# Altium PCB PCB2.PcbDoc (part 3 of 3)
Units mm, origin at the board's own origin, x right, y up, seen from the top; angles counter-clockwise.
Board outline 115.44 x 192.91 mm, 4 copper layers (Top Layer, SignalTop, SignalBottom, Bottom Layer), stack 0.532 mm thick; 200 components, 223 nets, 800 pads, 226 vias.
Unrouted connection lines stored in the file: 2.
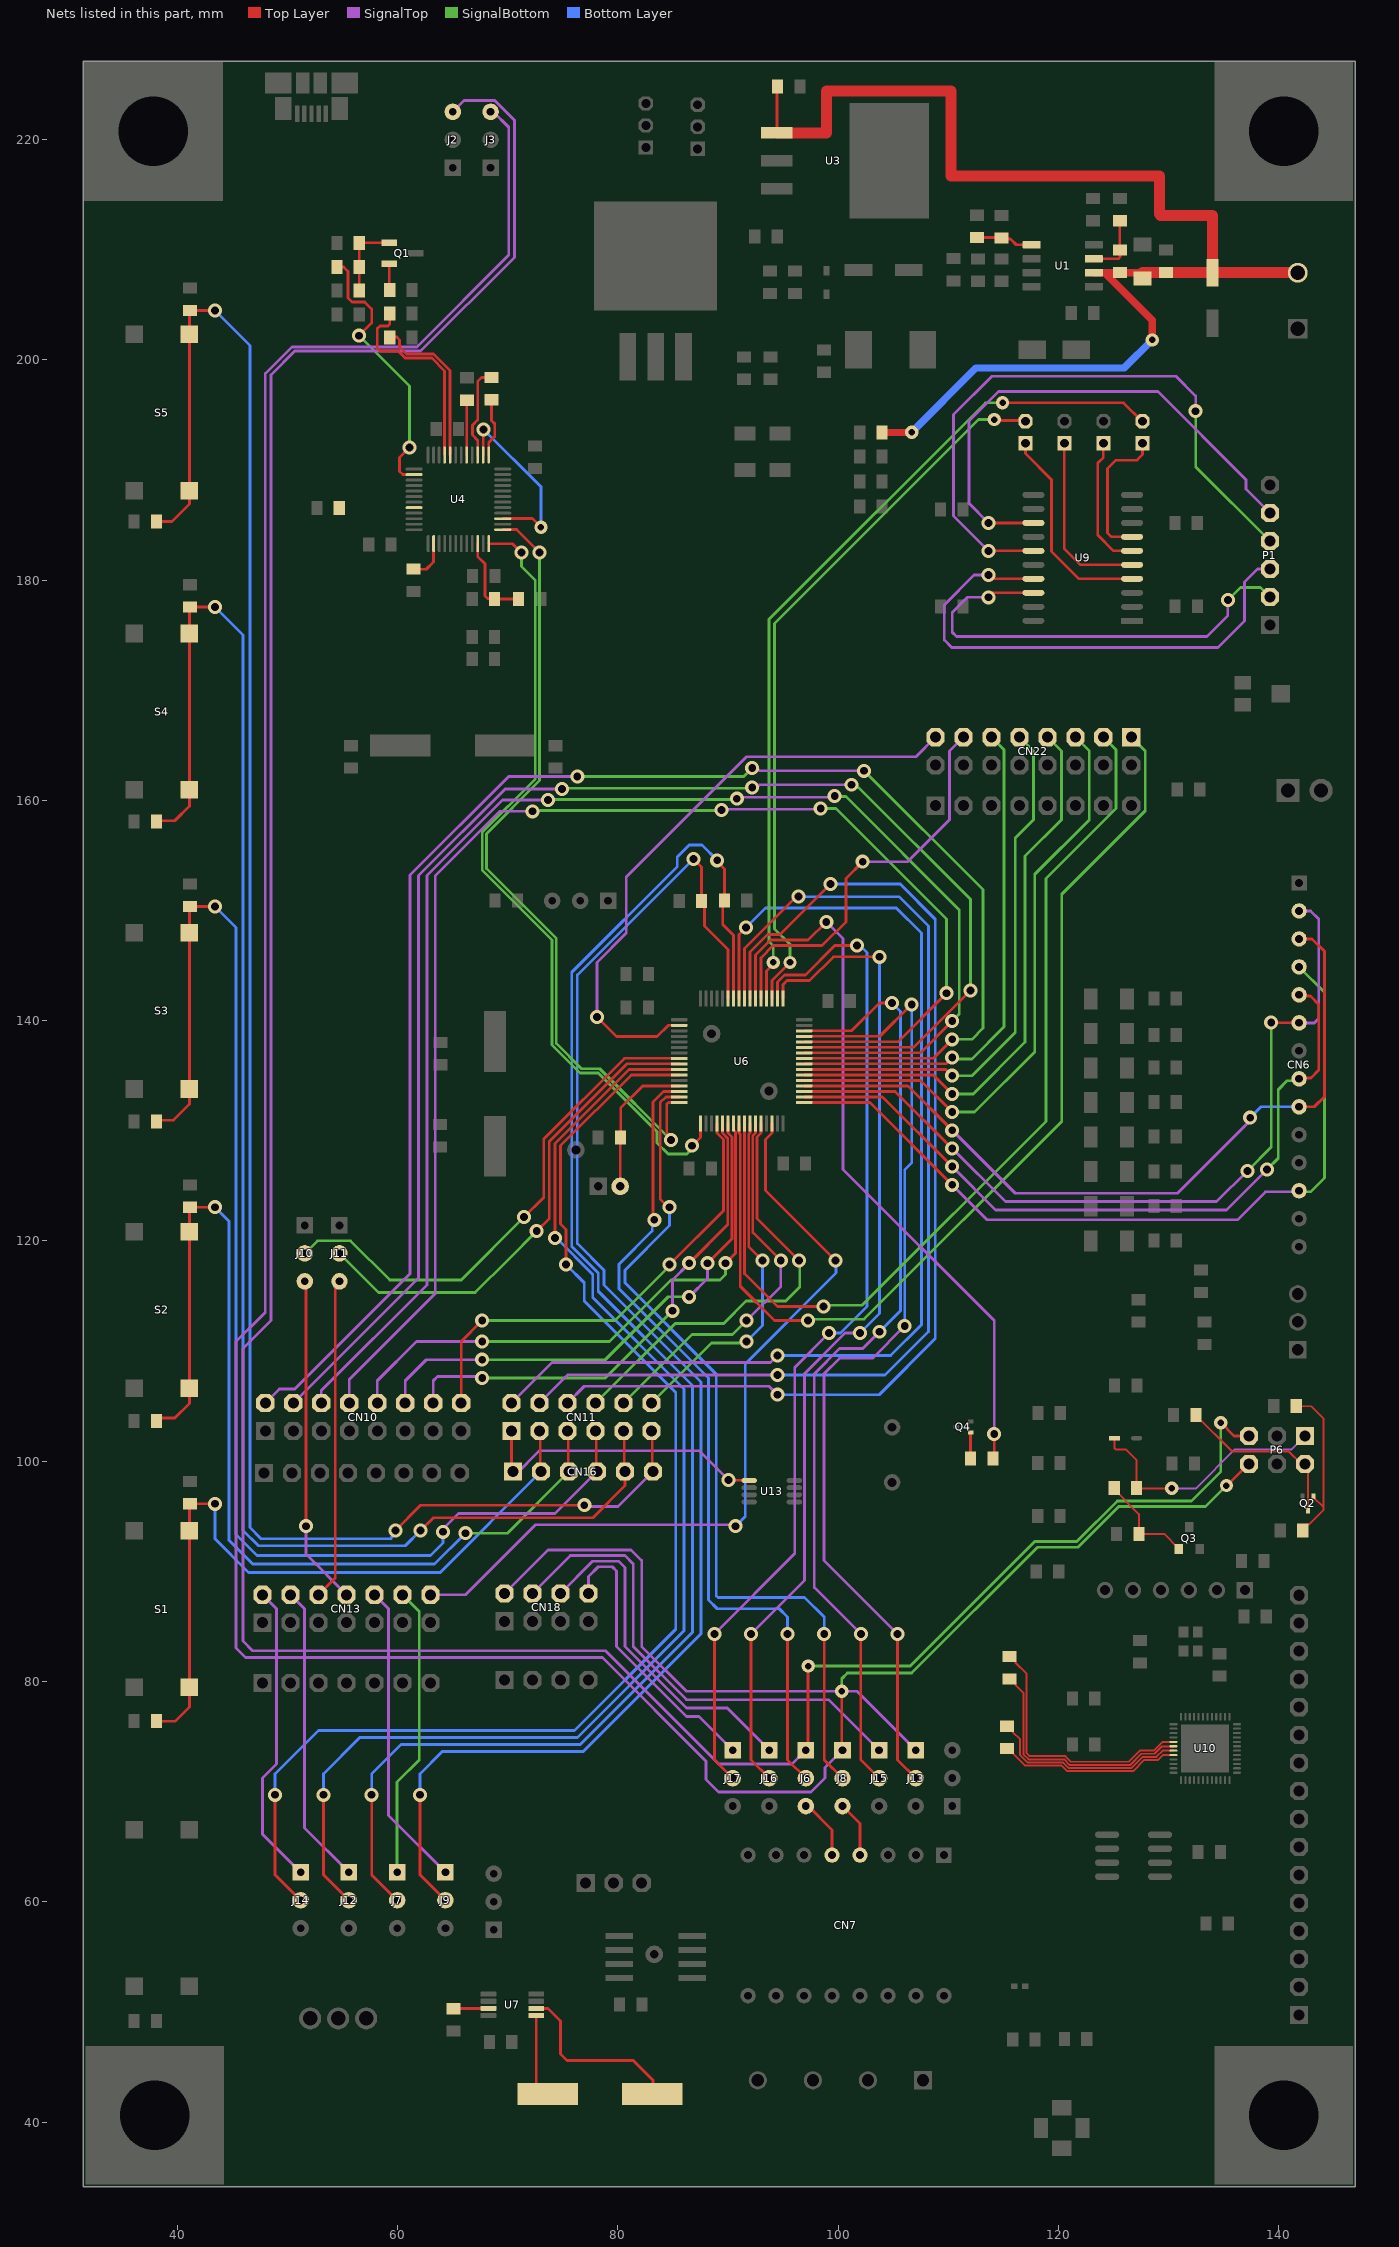
[diagram p5: the nets of this part, all layers, seen from the top]

## Via types
v1: diameter 1.27, hole 0.711, Top Layer to Bottom Layer, tented top, 165 vias
v2: diameter 1.2, hole 0.6, Top Layer to Bottom Layer, 59 vias
v3: diameter 6, hole 3, Top Layer to Bottom Layer, 2 vias

## Nets (pads, with @x,y where several pads share a name; then routed paths per layer and width w, separated by ;. In a path a pad name is that pad's centre, name@x,y a point inside that pad or via, vN(x,y) a via of type N, cw(c..) or ccw(c..) an arc to the next point about the centre after c; other vN are vias at no path point) (continued)
NetP2_2: P2.2 U6.52 | length 77.6
  Top Layer w0.254: U6.52@93.5,142 93.513,142.013 93.513,144.495 94.107,145.089 v2(94.107,145.288) ; v2(114.935,196.088) 125.91,196.088 127.582,194.416 P2.2@127.635,194.416
  SignalBottom w0.254: v2(94.107,145.288) 94.107,146.812 93.726,147.193 93.726,176.439 113.375,196.088 v2(114.935,196.088)
NetP3_2: P3.2 U6.51 | length 65.8
  Top Layer w0.254: U6.51@94,142 94,143.657 v2(95.631,145.288) ; v2(114.173,194.564) 114.247,194.49 116.934,194.49 P3.2@117.008,194.416
  SignalBottom w0.254: v2(95.631,145.288) 95.631,146.939 94.234,148.336 94.234,176.042 112.756,194.564 v2(114.173,194.564)
NetQ1_1: Q1.1 R10.1 R12.1 R14.1 | length 7
  Top Layer w0.254: R14.1@56.532,206.28 R12.1@56.532,208.439 R10.1@56.532,210.598 56.562,210.627 Q1.1@59.252,210.627
NetQ1_2: Q1.2 R13.1 | length 2.4
  Top Layer w0.254: Q1.2@59.252,208.727 59.252,206.383 R13.1@59.292,206.343
NetQ2_1: Q2.1 R28.2 R31.2 | length 15.3
  Top Layer w0.18: R31.2@141.588,104.997 142.935,104.997 144.073,103.859 144.073,95.993 ; R28.2@142.175,93.7 142.175,93.827 142.593,94.245 142.72,94.245 143.166,94.691 144.073,95.598 144.073,95.823 ; Q2.1@143.15,96.823 143.15,96.747 144.073,95.823 ; 144.073,95.926 144.073,95.823
NetQ3_1: Q3.1 R32.1 R33.1 | length 9.3
  Top Layer w0.18: R32.1@125.069,97.57 125.069,97.443 127.306,95.206 R33.1@127.306,93.405 129.595,93.405 130.925,92.075 Q3.1@130.925,92.025
NetQ4_1: Q4.1 R34.2 | length 2.4
  Top Layer w0.254: Q4.1@112.026,102.624 112.026,100.24 R34.2@112.031,100.235
NetR1_1: R1.1 R4.2 U1.3 | length 5.2
  Top Layer w0.254: U1.3@123.221,209.169 125.454,209.169 125.603,209.318 125.603,209.917 R1.1@125.571,209.948 R4.2@125.571,212.107
NetR2_1: R2.1 R3.2 U1.5 | length 5.2
  Top Layer w0.254: R3.2@112.617,211.091 114.805,211.091 R2.1@114.84,211.057 114.941,210.955 115.652,210.955 116.169,210.439 U1.5@117.571,210.439
NetR7_2: R7.2 R8.1 U4.10 | length 8.2
  Top Layer w0.254: U4.10@67.282,183.3 67.282,182.146 67.945,181.483 67.945,178.562 68.199,178.308 68.785,178.308 R7.2@68.817,178.276 R8.1@70.976,178.276
NetR9_1: R9.1 U4.29 | length 5
  Top Layer w0.254: U4.29@66.282,191.35 66.282,196.281 R9.1@66.326,196.325
NetR15_1: R15.1 U4.2 | length 3.8
  Top Layer w0.254: R15.1@61.436,180.992 61.454,180.975 62.611,180.975 63.282,181.646 U4.2@63.282,183.3
NetR16_2: R16.2 U4.44 | length 0.1
  Top Layer w0.254: R16.2@54.72,186.531 R16.2@54.763,186.575
NetR26_1: R26.1 U7.7 | length 3.2
  Top Layer w0.254: R26.1@65.095,50.306 65.124,50.335 U7.7@68.262,50.335
NetU7_1: U7.1 Y2.2 | length 7.7
  Top Layer w0.254: U7.1@72.592,49.685 72.592,43.423 73.465,42.55 Y2.2@73.645,42.55
NetU7_2: U7.2 Y2.1 | length 16.3
  Top Layer w0.254: U7.2@72.592,50.335 73.665,50.335 74.8,49.2 74.8,46.2 75.4,45.6 81.4,45.6 83.185,43.815 83.185,42.59 Y2.1@83.145,42.55
PA0_UART4_TX: J6.2 U6.14 | length 75.9
  Top Layer w0.254: v1(83.312,121.92) 83.185,122.047 83.185,132.605 84.16,133.58 U6.14@85.58,133.58 ; v1(95.419,84.328) 95.419,72.898 J6.2@97.077,71.24
  Bottom Layer w0.254: v1(83.312,121.92) 83.123,121.731 83.123,120.904 80.106,117.887 80.106,115.666 88.225,107.547 88.225,87.416 89.027,86.614 94.657,86.614 95.419,85.852 v1(95.419,84.328)
PA1_UART4_RX: J8.2 U6.15 | length 78.2
  Top Layer w0.254: v1(84.709,123.063) 84.602,123.063 83.847,123.818 83.847,132.561 84.367,133.08 U6.15@85.58,133.08 ; v1(98.742,84.328) 98.742,72.898 J8.2@100.4,71.24
  Bottom Layer w0.254: v1(84.709,123.063) 84.709,121.412 80.645,117.348 80.645,116.205 88.944,107.906 88.944,87.779 89.092,87.63 96.964,87.63 98.742,85.852 v1(98.742,84.328)
PA2: U4.13 U6.16 | length 72.1
  Top Layer w0.254: U4.13@69.557,184.575 70.822,184.575 v1(72.898,182.499) ; v1(84.836,129.159) 84.836,129.434 84.455,129.815 84.455,132.431 84.604,132.58 U6.16@85.58,132.58
  SignalBottom w0.254: v1(72.898,182.499) 72.898,161.798 68.072,156.972 68.072,153.797 74.422,147.447 74.422,137.922 76.708,135.636 78.359,135.636 v1(84.836,129.159)
PA3: U4.12 U6.17 | length 73.4
  Top Layer w0.254: U4.12@68.282,183.3 70.446,183.3 v1(71.247,182.499) ; v1(86.741,128.651) 87.5,129.41 U6.17@87.5,130.66
  SignalBottom w0.254: v1(71.247,182.499) 71.247,181.229 72.517,179.959 72.517,161.925 67.691,157.099 67.691,153.67 74.041,147.32 74.041,137.795 76.581,135.255 78.232,135.255 83.566,129.921 83.566,128.905 84.582,127.889 86.277,127.889 86.425,128.038 86.425,128.06 86.741,128.376 v1(86.741,128.651)
PA4: CN10.16 U6.20 | length 42.6
  Top Layer w0.254: CN10.16@65.786,105.283 65.786,110.871 v1(67.691,112.776) ; v1(84.709,117.856) 89.595,122.742 89.595,129.203 89,129.798 U6.20@89,130.66
  SignalBottom w0.254: v1(67.691,112.776) 79.756,112.776 84.709,117.729 v1(84.709,117.856)
PA5: CN10.14 U6.21 | length 45.8
  Top Layer w0.254: v1(86.487,117.983) 89.976,121.472 89.976,129.322 89.5,129.798 U6.21@89.5,130.66
  SignalTop w0.254: CN10.14@63.246,105.283 63.246,107.315 63.627,107.696 67.564,107.696 v1(67.691,107.569) ; v1(84.963,113.665) 84.963,116.459 v1(86.487,117.983)
  SignalBottom w0.254: v1(67.691,107.569) 78.867,107.569 v1(84.963,113.665)
PA6: CN10.12 U6.22 | length 48.5
  Top Layer w0.254: v1(88.138,117.983) 90.357,120.202 90.357,129.441 90,129.798 U6.22@90,130.66
  SignalTop w0.254: CN10.12@60.706,105.283 60.706,107.315 62.611,109.22 v1(67.691,109.22) ; v1(86.487,114.935) 88.138,116.586 v1(88.138,117.983)
  SignalBottom w0.254: v1(67.691,109.22) 78.867,109.22 84.582,114.935 v1(86.487,114.935)
  Bottom Layer w0.254: v1(86.487,114.935) v1@86.517,114.965
PA7: CN10.10 U6.23 | length 51.8
  Top Layer w0.254: v1(89.789,117.983) 89.789,117.998 90.678,118.887 90.678,129.903 90.529,130.052 90.513,130.052 90.5,130.065 U6.23@90.5,130.66
  SignalTop w0.254: CN10.10@58.166,105.283 58.166,107.315 61.722,110.871 v1(67.691,110.871)
  SignalBottom w0.254: v1(67.691,110.871) 79.248,110.871 84.836,116.459 89.281,116.459 89.789,116.967 v1(89.789,117.983)
PA8: CN10.8 U6.44 | length 125.7
  Top Layer w0.254: U6.44@96.92,138.08 105.441,138.08 v1(109.855,142.494)
  SignalTop w0.254: CN10.8@55.626,105.283 55.626,107.442 63.436,115.252 63.436,153.162 69.278,159.004 v1(72.263,159.004) ; v1(89.408,159.131) 89.471,159.195 98.361,159.195 v1(98.425,159.258)
  SignalBottom w0.254: v1(72.263,159.004) 72.326,159.067 89.344,159.067 v1(89.408,159.131) ; v1(98.425,159.258) 99.822,159.258 109.855,149.225 v1(109.855,142.494)
PA9: CN10.6 U6.42 | length 132.5
  Top Layer w0.254: U6.42@96.92,137.08 107.486,137.08 v1(110.363,139.958)
  SignalTop w0.254: CN10.6@53.086,105.283 53.086,106.426 62.674,116.014 62.674,153.162 69.532,160.02 v1(73.66,160.02) ; v1(90.805,160.147) 90.932,160.274 99.568,160.274 v1(99.695,160.401)
  SignalBottom w0.254: v1(73.66,160.02) 73.724,160.083 90.742,160.083 v1(90.805,160.147) ; v1(99.695,160.401) 99.751,160.345 100.711,160.345 110.998,150.058 110.998,140.593 v1(110.363,139.958)
PA10: CN10.4 U6.43 | length 135.9
  Top Layer w0.254: U6.43@96.92,137.58 106.846,137.58 v1(112.014,142.748)
  SignalTop w0.254: CN10.4@50.546,105.283 61.912,116.649 61.912,153.162 69.787,161.036 v1(74.93,161.036) ; v1(92.202,161.163) 92.396,161.357 92.799,161.357 92.859,161.417 v1(101.219,161.417)
  SignalBottom w0.254: v1(74.93,161.036) 74.993,161.1 92.138,161.1 v1(92.202,161.163) ; v1(101.219,161.417) 101.413,161.223 101.809,161.223 112.014,151.017 v1(112.014,142.748)
PA11: CN10.2 U6.41 | length 144.8
  Top Layer w0.254: U6.41@96.92,136.58 108.636,136.58 v1(110.363,138.307)
  SignalTop w0.254: CN10.2@48.006,105.283 49.276,106.553 50.673,106.553 61.151,117.03 61.151,153.225 70.104,162.179 v1(76.327,162.179) ; v1(92.202,162.941) 92.396,162.747 92.799,162.747 92.859,162.687 v1(102.362,162.687)
  SignalBottom w0.254: v1(76.327,162.179) 91.44,162.179 v1(92.202,162.941) ; v1(102.362,162.687) 113.157,151.892 113.157,139.319 112.145,138.307 v1(110.363,138.307)
PA12: J13.2 U6.45 | length 89.7
  Top Layer w0.254: U6.45@96.92,138.58 103.782,138.58 v1(106.68,141.478) ; v1(105.389,84.328) 105.389,72.898 J13.2@107.047,71.24
  SignalTop w0.254: v1(105.389,84.328) 98.732,90.985 98.732,107.95 100.129,109.347 103.124,109.347 v1(106.045,112.268)
  Bottom Layer w0.254: v1(106.045,112.268) 106.045,126.458 106.68,127.093 v1(106.68,141.478)
PA12_IO: CN18.2 J13.1 | length 51.1
  SignalTop w0.254: CN18.2@69.723,88.011 73.66,91.948 81.211,91.948 82.169,90.99 82.169,83.185 86.233,79.121 101.706,79.121 J13.1@107.047,73.78
PA13: J15.2 U6.46 | length 86.6
  Top Layer w0.254: U6.46@96.92,139.08 101.234,139.08 103.759,141.605 v1(104.902,141.605) ; v1(102.066,84.328) 102.066,72.898 J15.2@103.724,71.24
  SignalTop w0.254: v1(102.066,84.328) 97.843,88.551 97.843,107.95 100.129,110.236 102.235,110.236 v1(103.759,111.76)
  Bottom Layer w0.254: v1(103.759,111.76) 105.664,113.665 105.664,140.843 v1(104.902,141.605)
PA13_IO: CN18.4 J15.1 | length 44.6
  SignalTop w0.254: CN18.4@72.263,88.011 75.692,91.44 80.641,91.44 81.407,90.674 81.407,83.185 86.233,78.359 99.145,78.359 J15.1@103.724,73.78
PA14: J16.2 U6.49 | length 91.9
  Top Layer w0.254: v1(92.096,84.328) 92.096,72.898 J16.2@93.754,71.24 ; U6.49@95,142 95,143.26 95.377,143.637 97.409,143.637 99.568,145.796 v1(103.759,145.796)
  SignalTop w0.254: v1(92.096,84.328) 96.954,89.186 96.954,107.95 100.637,111.633 v1(101.981,111.633)
  Bottom Layer w0.254: v1(101.981,111.633) 103.759,113.411 v1(103.759,145.796)
PA14_IO: CN18.6 J16.1 | length 31.5
  SignalTop w0.254: CN18.6@74.803,88.011 77.724,90.932 80.072,90.932 80.645,90.359 80.645,83.185 86.233,77.597 89.937,77.597 J16.1@93.754,73.78
PA15: J17.2 U6.50 | length 93.2
  Top Layer w0.254: v1(88.773,84.328) 88.773,72.898 J17.2@90.431,71.24 ; U6.50@94.5,142 94.5,143.522 95.123,144.145 97.028,144.145 99.695,146.812 v1(101.727,146.812)
  SignalTop w0.254: v1(88.773,84.328) 96.065,91.62 96.065,108.511 v1(99.187,111.633)
  Bottom Layer w0.254: v1(99.187,111.633) 100.203,111.633 102.616,114.046 102.616,146.177 101.981,146.812 v1(101.727,146.812)
PA15_IO: CN18.8 J17.1 | length 25.9
  SignalTop w0.254: CN18.8@77.343,88.011 77.343,89.535 78.232,90.424 79.502,90.424 79.883,90.043 79.883,83.185 86.233,76.835 87.376,76.835 J17.1@90.431,73.78
PB0: CN11.12 U6.26 | length 31.9
  Top Layer w0.254: U6.26@92,130.66 92,129.798 91.881,129.679 91.881,119.507 v1(93.151,118.237)
  SignalBottom w0.254: CN11.12@83.058,105.283 88.519,110.744 91.567,110.744 v1(91.694,110.871)
  Bottom Layer w0.254: v1(91.694,110.871) 93.151,112.328 v1(93.151,118.237)
PB1: CN11.10 U6.27 | length 34.6
  Top Layer w0.254: U6.27@92.5,130.66 92.5,129.798 92.262,129.56 92.262,120.777 v1(94.802,118.237)
  SignalTop w0.254: v1(91.694,112.776) 94.802,115.884 v1(94.802,118.237)
  SignalBottom w0.254: CN11.10@80.518,105.283 86.741,111.506 90.424,111.506 v1(91.694,112.776)
PB2: CN11.8 U6.28 | length 39.5
  Top Layer w0.254: U6.28@93,130.66 93,129.798 92.643,129.441 92.643,122.047 v1(96.453,118.237)
  SignalBottom w0.254: CN11.8@77.978,105.283 85.217,112.522 89.616,112.522 91.648,114.554 95.25,114.554 96.52,115.824 96.52,118.17 v1(96.453,118.237)
PB3: CN11.6 U6.55 | length 99.5
  Top Layer w0.254: U6.55@92,142 92,146.229 93.599,147.828 94.742,147.828 v1(99.314,152.4)
  SignalTop w0.254: CN11.6@75.438,105.283 76.962,106.807 93.726,106.807 v1(94.488,106.045)
  Bottom Layer w0.254: v1(94.488,106.045) 103.733,106.045 108.826,111.138 108.826,149.212 105.638,152.4 v1(99.314,152.4)
PB4: CN11.4 U6.56 | length 99.1
  Top Layer w0.254: U6.56@91.5,142 91.5,146.546 96.211,151.257 v1(96.393,151.257)
  SignalTop w0.254: CN11.4@72.898,105.283 75.438,107.823 v1(94.488,107.823)
  Bottom Layer w0.254: v1(94.488,107.823) 104.254,107.823 108.198,111.766 108.198,148.584 105.524,151.257 v1(96.393,151.257)
PB5: CN11.2 U6.57 | length 100.1
  Top Layer w0.254: U6.57@91,142 91,147.824 v1(91.639,148.463)
  SignalTop w0.254: CN11.2@70.358,105.283 74.041,108.966 93.853,108.966 v1(94.488,109.601)
  Bottom Layer w0.254: v1(91.639,148.463) 93.417,150.241 105.283,150.241 107.569,147.955 107.569,112.395 104.775,109.601 v1(94.488,109.601)
PB6: J7.2 R24.2 U6.58 | length 143.7
  Top Layer w0.254: v1(57.658,69.723) 57.658,62.464 J7.2@59.971,60.151 ; v1(89.027,154.559) 89.027,154.427 89.679,153.775 R24.2@89.679,150.908 89.535,150.763 89.535,148.717 90.5,147.752 U6.58@90.5,142
  Bottom Layer w0.254: v1(57.658,69.723) 57.658,71.628 60.325,74.295 76.599,74.295 86.785,84.481 86.785,106.887 78.232,115.439 78.232,117.094 75.819,119.507 75.819,144.399 85.407,153.987 85.407,154.876 86.487,155.956 87.63,155.956 v1(89.027,154.559)
PB6_IO: CN13.12 J7.1 | length 26.7
  SignalBottom w0.254: J7.1@59.971,62.691 59.971,70.893 61.976,72.898 61.976,86.36 CN13.12@60.452,87.884
PB7: J9.2 R23.2 U6.59 | length 136.5
  Top Layer w0.254: v1(62.039,69.723) 62.039,62.464 J9.2@64.353,60.151 ; v1(86.868,154.686) 87.613,153.941 R23.2@87.613,150.844 87.884,150.573 87.884,148.59 90,146.474 U6.59@90,142
  Bottom Layer w0.254: v1(62.039,69.723) 62.039,71.628 64.072,73.66 76.862,73.66 87.547,84.344 87.547,107.202 78.74,116.009 78.74,117.348 76.327,119.761 76.327,144.145 v1(86.868,154.686)
PB7_IO: CN13.10 J9.1 | length 27.9
  SignalTop w0.254: CN13.10@57.912,87.884 59.182,86.614 59.182,67.862 J9.1@64.353,62.691
PB11: CN13.14 U6.30 | length 73.6
  Top Layer w0.254: U6.30@94,130.66 94,129.798 93.405,129.203 93.405,124.587 v1(99.755,118.237)
  SignalTop w0.254: CN13.14@62.992,87.884 66.167,87.884 72.517,94.234 90.551,94.234 v1(90.678,94.107)
  Bottom Layer w0.254: v1(90.678,94.107) 91.567,94.996 91.567,108.839 99.822,117.094 99.822,118.17 v1(99.755,118.237)
PC0: J10.2 U6.8 | length 47.4
  Top Layer w0.254: v1(71.501,122.174) 73.279,123.952 73.279,129.248 80.611,136.58 U6.8@85.58,136.58
  SignalBottom w0.254: J10.2@51.587,118.872 52.73,120.015 55.753,120.015 59.309,116.459 65.786,116.459 v1(71.501,122.174)
PC0_IO: CN13.8 J10.3 | length 30
  Top Layer w0.254: J10.3@51.587,116.332 51.689,116.23 v1(51.689,94.107)
  SignalTop w0.254: v1(51.689,94.107) 51.689,91.567 CN13.8@55.372,87.884
PC1: J11.2 U6.9 | length 45
  Top Layer w0.254: v1(72.644,120.904) 73.787,122.047 73.787,129.049 80.818,136.08 U6.9@85.58,136.08
  SignalBottom w0.254: J11.2@54.737,118.872 58.293,115.316 67.056,115.316 70.07,118.33 v1(72.644,120.904)
PC1_IO: CN13.6 J11.3 | length 29.2
  Top Layer w0.254: CN13.6@52.832,87.884 54.356,89.408 54.356,115.614 54.737,115.995 J11.3@54.737,116.332
PC2: J12.2 U6.10 | length 113.8
  Top Layer w0.254: v1(53.276,69.723) 53.276,62.464 J12.2@55.59,60.151 ; v1(74.295,120.269) 74.295,128.85 81.025,135.58 U6.10@85.58,135.58
  Bottom Layer w0.254: v1(53.276,69.723) 53.276,71.628 56.578,74.93 76.336,74.93 86.023,84.617 86.023,106.571 77.724,114.87 77.724,116.967 74.422,120.269 v1(74.295,120.269)
PC2_IO: CN13.4 J12.1 | length 27.4
  SignalTop w0.254: CN13.4@50.292,87.884 51.562,86.614 51.562,66.719 J12.1@55.59,62.691
PC3: J14.2 U6.11 | length 115.9
  Top Layer w0.254: v1(48.895,69.723) 48.895,62.464 J14.2@51.208,60.151 ; v1(75.311,117.856) 75.311,121.031 74.803,121.539 74.803,128.651 81.232,135.08 U6.11@85.58,135.08
  Bottom Layer w0.254: v1(48.895,69.723) 48.895,71.628 52.832,75.565 76.073,75.565 85.261,84.753 85.261,106.255 76.962,114.554 76.962,116.205 v1(75.311,117.856)
PC3_IO: CN13.2 J14.1 | length 27.7
  SignalTop w0.254: CN13.2@47.752,87.884 49.022,86.614 49.022,72.517 47.752,71.247 47.752,66.147 J14.1@51.208,62.691
PC4: CN22.1 U6.24 | length 91.3
  Top Layer w0.254: U6.24@91,130.66 91,129.798 91.119,129.679 91.119,115.891 94.234,112.776 v1(97.282,112.776)
  SignalBottom w0.254: v1(97.282,112.776) 97.409,112.903 102.362,112.903 120.309,130.85 120.309,151.471 127.889,159.051 127.889,164.465 CN22.1@126.619,165.735
PC5: CN22.3 U6.25 | length 87.2
  Top Layer w0.254: U6.25@91.5,130.66 91.5,118.237 91.5,117.034 94.488,114.046 v1(98.679,114.046)
  SignalBottom w0.254: v1(98.679,114.046) 98.806,114.173 102.195,114.173 118.872,130.85 118.872,152.908 125.222,159.258 125.222,164.592 CN22.3@124.079,165.735
PC6: CN22.5 U6.37 | length 55.5
  Top Layer w0.254: U6.37@96.92,134.58 107.486,134.58 v1(110.363,131.703)
  SignalBottom w0.254: v1(110.363,131.703) 110.367,131.699 112.395,131.699 117.856,137.16 117.856,153.289 122.809,158.242 122.809,164.465 CN22.5@121.539,165.735
PC7: CN22.7 U6.38 | length 52.3
  Top Layer w0.254: U6.38@96.92,135.08 108.637,135.08 v1(110.363,133.354)
  SignalBottom w0.254: v1(110.363,133.354) 110.367,133.35 112.268,133.35 116.967,138.049 116.967,154.94 120.269,158.242 120.269,164.465 CN22.7@118.999,165.735
PC8: CN22.9 U6.39 | length 49.2
  Top Layer w0.254: U6.39@96.92,135.58 109.788,135.58 v1(110.363,135.005)
  SignalTop w0.254: v1(110.363,135.005) v1@110.49,135.005
  SignalBottom w0.254: v1(110.363,135.005) 112.145,135.005 116.078,138.938 116.078,156.591 117.729,158.242 117.729,164.465 CN22.9@116.459,165.735
PC9: CN22.11 U6.40 | length 46.4
  Top Layer w0.254: U6.40@96.92,136.08 109.787,136.08 v1(110.363,136.656)
  SignalBottom w0.254: v1(110.363,136.656) 110.494,136.525 112.141,136.525 115.062,139.446 115.062,164.592 CN22.11@113.919,165.735
PC12: CN22.13 U6.53 | length 36.9
  Top Layer w0.254: U6.53@93.013,142.608 93.013,142.013 U6.53@93,142 93,145.705 94.107,146.812 98.552,146.812 100.711,148.971 100.711,152.908 v1(102.235,154.432)
  SignalTop w0.254: v1(102.235,154.432) 106.299,154.432 110.109,158.242 110.109,164.465 CN22.13@111.379,165.735
PC13: CN22.15 U6.2 | length 55.8
  Top Layer w0.254: v1(78.105,140.335) 79.883,138.557 83.566,138.557 84.589,139.58 U6.2@85.58,139.58
  SignalTop w0.254: v1(78.105,140.335) 78.105,145.288 80.772,147.955 80.772,153.035 91.694,163.957 107.061,163.957 CN22.15@108.839,165.735
PD2: R34.1 U6.54 | length 66.7
  Top Layer w0.254: U6.54@92.5,142 92.5,145.967 93.853,147.32 97.282,147.32 v1(98.933,148.971) ; R34.1@114.063,100.235 114.173,100.344 v1(114.173,102.489)
  SignalTop w0.254: v1(98.933,148.971) 100.457,147.447 100.457,126.492 114.173,112.776 v1(114.173,102.489)
RS_A: P1.2 U9.18 | length 41.9
  Top Layer w0.254: v1(113.665,178.435) 114.071,178.841 U9.18@117.73,178.841
  SignalTop w0.254: v1(113.665,178.435) 111.76,178.435 110.363,177.038 110.363,175.26 110.744,174.879 133.477,174.879 135.382,176.784 v1(135.382,178.181)
  SignalBottom w0.254: v1(135.382,178.181) 136.525,179.324 138.34,179.324 P1.2@139.208,178.456
RS_B: P1.3 U9.17 | length 47.5
  Top Layer w0.254: v1(113.665,180.467) 114.021,180.111 U9.17@117.73,180.111
  SignalTop w0.254: v1(113.665,180.467) 112.355,180.467 109.645,177.756 109.645,174.542 110.323,173.863 134.493,173.863 136.906,176.276 136.906,179.832 138.07,180.996 P1.3@139.208,180.996
RS_DE: P4.1 U9.6 | length 12.3
  Top Layer w0.254: P4.1@124.093,192.416 124.079,192.402 124.079,191.135 123.571,190.627 123.571,184.088 125.008,182.651 U9.6@126.686,182.651
RS_RE: P5.1 U9.5 | length 16.3
  Top Layer w0.254: P5.1@120.55,192.416 120.523,192.389 120.523,182.88 122.022,181.381 U9.5@126.686,181.381
RS_RX: P3.1 U9.4 | length 19.1
  Top Layer w0.254: P3.1@117.008,192.416 117.008,191.475 119.38,189.103 119.38,182.586 121.855,180.111 U9.4@126.686,180.111
RS_TX: P2.1 U9.7 | length 12.9
  Top Layer w0.254: U9.7@126.686,183.921 124.816,183.921 124.46,184.277 124.46,190.119 125.222,190.881 127.127,190.881 127.635,191.389 P2.1@127.635,192.416
RS_Y: P1.5 U9.13 | length 47.5
  Top Layer w0.254: v1(113.665,185.191) U9.13@117.73,185.191
  SignalTop w0.254: v1(113.665,185.191) 111.887,186.969 111.887,194.437 114.554,197.104 129.032,197.104 137.033,189.103 137.033,188.251 P1.5@139.208,186.076
RS_Z: P1.4 U9.15 | length 57.9
  Top Layer w0.254: v1(113.665,182.651) U9.15@117.73,182.651
  SignalTop w0.254: v1(113.665,182.651) 110.49,185.826 110.49,195.016 113.975,198.501 130.683,198.501 132.461,196.723 v1(132.461,195.326)
  SignalBottom w0.254: v1(132.461,195.326) 132.461,190.283 P1.4@139.208,183.536
RX_PORT: J2.3 J6.1 P6.5 | length 278
  Top Layer w0.254: J6.1@97.077,73.78 97.282,73.985 v2(97.282,81.407) ; v2(134.747,103.505) 135.952,102.3 P6.5@137.31,102.3
  SignalTop w0.254: J2.3@65.024,222.504 66.04,223.52 68.834,223.52 70.612,221.742 70.612,209.296 62.103,200.787 50.673,200.787 48.514,198.628 48.514,191.262 48.514,112.776 45.968,110.23 45.968,83.687 46.85,82.804 78.874,82.804 89.161,72.517 95.814,72.517 J6.1@97.077,73.78
  SignalBottom w0.254: v2(97.282,81.407) 106.553,81.407 117.856,92.71 121.666,92.71 125.349,96.393 132.08,96.393 134.747,99.06 v2(134.747,103.505)
RX_USB: D5.1 P6.1 R32.2 | length 23.6
  Top Layer w0.18: D5.1@125.46,101.994 125.354,102.1 D5.1@125.1,102.1 125.095,102.095 125.095,101.197 125.2,101.092 126.108,101.092 127.101,100.099 R32.2@127.101,97.57 127.121,97.55 v2(130.3,97.55)
  SignalTop w0.18: v2(130.3,97.55) 132.5,97.55 136.025,101.075 141.165,101.075 P6.1@142.39,102.3
SENS_CAPN: C45.2 U10.7 | length 18.3
  Top Layer w0.18: C45.2@115.33,75.951 115.457,75.951 115.875,75.533 115.875,75.406 116.525,74.755 116.525,73.325 117.175,72.675 120.4,72.675 120.925,72.15 126.625,72.15 127.65,73.175 128.9,73.175 129.454,73.729 U10.7@130.45,73.729
SENS_CAPP: C50.2 U10.6 | length 22.2
  Top Layer w0.18: C50.2@115.545,80.249 115.672,80.249 116.09,79.831 116.09,79.704 116.825,78.97 116.825,73.425 117.3,72.95 120.525,72.95 121.05,72.425 126.5,72.425 127.525,73.45 128.725,73.45 129.404,74.129 U10.6@130.45,74.129
SENS_VN: C45.1 U10.8 | length 16.6
  Top Layer w0.18: C45.1@115.33,73.919 115.457,73.919 117,72.375 120.3,72.375 120.8,71.875 126.775,71.875 127.8,72.9 129.05,72.9 129.479,73.329 U10.8@130.45,73.329
SENS_VP: C50.1 U10.5 | length 23.9
  Top Layer w0.18: C50.1@115.545,82.281 115.672,82.281 116.09,81.863 116.09,81.736 117.125,80.702 117.125,73.5 117.4,73.225 120.625,73.225 121.125,72.725 126.4,72.725 127.4,73.725 128.65,73.725 129.454,74.529 U10.5@130.45,74.529
SPI2_MISO_T_DO: CN6.2 CN6.6 U6.35 | length 75.6
  Top Layer w0.254: U6.35@96.92,133.58 105.184,133.58 v1(110.363,128.401) ; v1(139.319,139.827) 139.333,139.813 141.837,139.813 CN6.6@141.85,139.8 CN6.6@141.8,139.75
  SignalTop w0.254: v1(110.363,128.401) 115.193,123.571 134.366,123.571 v1(137.16,126.365) ; CN6.6@141.85,139.8 143.229,139.8 143.637,140.208 143.637,149.225 142.902,149.96 CN6.2@141.85,149.96
  SignalBottom w0.254: v1(137.16,126.365) 139.319,128.524 v1(139.319,139.827)
SPI2_MOSI_T_DIN: CN6.3 CN6.9 U6.36 | length 71.1
  Top Layer w0.254: U6.36@96.92,134.08 106.335,134.08 v1(110.363,130.052) ; CN6.9@141.773,132.257 CN6.9@141.85,132.18 143.229,132.18 144.145,133.096 144.145,146.304 143.029,147.42 CN6.3@141.85,147.42
  SignalTop w0.254: v1(110.363,130.052) 116.082,124.333 130.81,124.333 137.414,130.937 v1(137.414,131.191)
  Bottom Layer w0.254: v1(137.414,131.191) 138.403,132.18 CN6.9@141.85,132.18
SPI2_NSS_T_CS: CN6.4 CN6.12 U6.33 | length 73.4
  Top Layer w0.254: U6.33@96.92,132.58 102.882,132.58 v1(110.363,125.099) ; CN6.12@141.837,124.573 CN6.12@141.85,124.56
  SignalTop w0.254: v1(110.363,125.099) 113.542,121.92 136.271,121.92 138.811,124.46 141.75,124.46 CN6.12@141.85,124.56
  SignalBottom w0.254: CN6.12@141.85,124.56 141.95,124.46 142.875,124.46 144.145,125.73 144.145,142.585 CN6.4@141.85,144.88
SPI2_SCK_T_CLK: CN6.5 CN6.8 U6.34 | length 68.1
  Top Layer w0.254: U6.34@96.92,133.08 104.033,133.08 v1(110.363,126.75) ; CN6.8@141.8,134.67 CN6.8@141.85,134.72 141.933,134.803 142.931,134.803 143.637,135.509 143.637,141.478 142.875,142.24 141.95,142.24 CN6.5@141.85,142.34
  SignalTop w0.254: v1(110.363,126.75) 114.304,122.809 135.255,122.809 v1(138.938,126.492)
  SignalBottom w0.254: v1(138.938,126.492) 139.954,127.508 139.954,133.731 140.769,134.546 141.676,134.546 CN6.8@141.85,134.72
SW1: C59.1 CN11.3 CN16.2 R35.2 S1.1 | length 65.8
  Top Layer w0.254: C59.1@38.117,76.41 39.834,76.41 41.108,77.684 S1.1@41.108,79.489 S1.1@41.108,93.689 41.108,96.099 R35.2@41.148,96.139 v1(43.434,96.139) ; CN11.3@72.898,102.743 72.962,102.679 72.962,99.123 CN16.2@73.025,99.06
  Bottom Layer w0.254: v1(43.434,96.139) 43.434,92.964 46.482,89.916 63.881,89.916 CN16.2@73.025,99.06
SW2: C60.1 CN11.5 CN16.3 R37.2 S2.1 | length 93.4
  Top Layer w0.254: C60.1@38.117,103.918 39.783,103.918 41.108,105.243 S2.1@41.108,106.641 S2.1@41.108,120.841 41.108,123.023 R37.2@41.148,123.063 v1(43.434,123.063) ; CN11.5@75.438,102.743 75.501,102.679 75.501,99.123 CN16.3@75.565,99.06
  SignalBottom w0.254: v1(66.167,93.472) 69.977,93.472 CN16.3@75.565,99.06
  Bottom Layer w0.254: v1(43.434,123.063) 44.704,121.793 44.704,92.837 46.863,90.678 63.373,90.678 v1(66.167,93.472)
SW3: C61.1 CN11.7 CN16.4 R41.2 S3.1 | length 122.8
  Top Layer w0.254: C61.1@38.117,130.969 39.656,130.969 41.108,132.421 S3.1@41.108,133.794 S3.1@41.108,147.994 41.108,150.328 R41.2@41.148,150.368 v1(43.434,150.368) ; CN11.7@77.978,102.743 78.041,102.679 78.041,99.123 CN16.4@78.105,99.06
  SignalTop w0.254: v1(64.135,93.599) 64.135,93.853 65.532,95.25 74.295,95.25 CN16.4@78.105,99.06
  Bottom Layer w0.254: v1(43.434,150.368) 45.339,148.463 45.339,93.345 47.244,91.44 62.992,91.44 64.135,92.583 v1(64.135,93.599)
SW4: C62.1 CN11.9 CN16.5 R45.2 S4.1 | length 151.2
  Top Layer w0.254: C62.1@38.244,158.147 39.783,158.147 41.108,159.472 S4.1@41.108,160.946 S4.1@41.108,175.146 41.108,177.506 R45.2@41.148,177.546 v1(43.434,177.546) ; v1(62.103,93.726) 63.246,94.869 77.724,94.869 80.645,97.79 CN16.5@80.645,99.06 80.581,99.123 80.581,102.679 CN11.9@80.518,102.743
  Bottom Layer w0.254: v1(43.434,177.546) 45.974,175.006 45.974,93.726 47.371,92.329 60.706,92.329 v1(62.103,93.726)
SW5: C63.1 CN11.11 CN16.6 R47.2 S5.1 | length 178.9
  Top Layer w0.254: C63.1@38.117,185.325 39.529,185.325 41.108,186.904 S5.1@41.108,188.099 S5.1@41.108,202.299 41.108,204.43 R47.2@41.148,204.47 v1(43.434,204.47) ; v1(59.817,93.726) 62.103,96.012 v1(76.962,96.012) ; CN11.11@83.058,102.743 83.121,102.679 83.121,99.123 CN16.6@83.185,99.06
  SignalTop w0.254: v1(76.962,96.012) 77.089,95.885 80.01,95.885 CN16.6@83.185,99.06
  Bottom Layer w0.254: v1(43.434,204.47) 46.609,201.295 46.609,93.98 47.625,92.964 59.436,92.964 59.436,93.07 59.817,93.451 v1(59.817,93.726)
T_JTCK: U4.15 U4.26 | length 17.2
  Top Layer w0.254: U4.26@67.782,191.35 67.784,191.352 67.784,193.641 v1(67.818,193.675) ; U4.15@69.557,185.575 72.248,185.575 73.025,184.798 v2(73.025,184.785)
  Bottom Layer w0.254: v1(67.818,193.675) 73.025,188.468 v2(73.025,184.785)
T_JTMS: R11.1 U4.27 | length 8.5
  Top Layer w0.254: U4.27@67.282,191.35 67.282,192.687 66.802,193.167 66.802,194.056 67.282,194.536 67.282,198.039 67.634,198.391 R11.1@68.548,198.391
T_SWDIO_IN: R11.2 U4.25 | length 5.4
  Top Layer w0.254: U4.25@68.282,191.35 68.282,192.488 68.834,193.04 68.834,194.183 68.548,194.469 R11.2@68.548,196.359
TEMP: CN11.1 CN16.1 U13.1 | length 27.3
  Top Layer w0.254: CN11.1@70.358,102.743 70.358,99.187 CN16.1@70.485,99.06 ; v1(90.043,98.298) 90.064,98.277 91.909,98.277 U13.1@91.93,98.257
  SignalTop w0.254: CN16.1@70.485,99.06 70.739,98.806 72.898,100.965 87.376,100.965 v1(90.043,98.298)
TX_PORT: J3.3 J8.1 P6.6 | length 272.3
  Top Layer w0.254: v2(100.33,79.121) 100.33,73.85 J8.1@100.4,73.78 ; v2(135.255,97.79) 135.297,97.79 137.268,99.76 P6.6@137.31,99.76
  SignalTop w0.254: J3.3@68.453,222.504 68.707,222.504 70.104,221.107 70.104,209.506 61.766,201.168 50.419,201.168 48.006,198.755 48.006,113.525 45.339,110.858 45.339,83.058 46.222,82.175 78.607,82.175 88.011,72.771 88.011,71.12 89.154,69.977 97.536,69.977 98.806,71.247 98.806,72.186 J8.1@100.4,73.78
  SignalBottom w0.254: v2(100.33,79.121) 100.33,80.264 100.838,80.772 106.68,80.772 118.11,92.202 121.793,92.202 125.476,95.885 133.35,95.885 v2(135.255,97.79)
TX_USB: P6.2 Q2.3 R29.1 | length 16.1
  Top Layer w0.18: R29.1@132.482,104.2 135.807,100.875 140.933,100.875 142.048,99.76 P6.2@142.39,99.76 142.65,99.5 Q2.3@142.65,95.528
UART4_RX_MOTOR: CN7.4 J8.3 | length 5.1
  Top Layer w0.254: J8.3@100.4,68.7 101.988,67.112 CN7.4@101.988,64.255
UART4_TX_MOTOR: CN7.5 J6.3 | length 5.6
  Top Layer w0.254: J6.3@97.077,68.7 97.289,68.7 99.448,66.541 CN7.5@99.448,64.255
USB_DM: R18.1 U4.32 | length 14.8
  Top Layer w0.254: R18.1@59.26,202.057 R18.1@59.292,202.025 59.323,202.057 59.944,202.057 60.198,201.803 60.198,201.168 60.833,200.533 63.258,200.533 64.782,199.009 U4.32@64.782,191.35
USB_DP: R20.1 U4.33 | length 18.7
  Top Layer w0.254: R20.1@59.348,204.128 R20.1@59.292,204.184 59.292,203.222 59.143,203.073 58.42,203.073 58.166,202.819 58.166,201.041 58.42,200.787 60.071,200.787 60.706,200.152 63.119,200.152 64.282,198.989 U4.33@64.282,191.35
USB_RENUMn: R12.2 U4.38 | length 25.1
  Top Layer w0.254: R12.2@54.5,208.439 54.532,208.407 55.118,208.407 55.499,208.026 55.499,205.613 55.88,205.232 57.023,205.232 57.658,204.597 57.658,203.327 v1(56.515,202.184) ; v1(61.087,192.024) 60.198,191.135 60.198,189.865 60.488,189.575 U4.38@61.507,189.575 U4.38@61.509,189.577
  SignalBottom w0.254: v1(56.515,202.184) 61.087,197.612 v1(61.087,192.024)
Vcc-EXT: C4.1 C5.2 C6.2 C10.2 C16.2 J1.2 R1.2 U1.2 U3.1 | length 117.8
  Top Layer w0.254: U3.1@94.448,220.599 94.448,224.764 C10.2@94.505,224.822
  Top Layer w0.65: C16.2@103.996,193.389 104.011,193.405 106.664,193.405 v2(106.68,193.421) ; U1.2@123.221,207.899 123.721,207.899 124.206,207.899 ; R1.2@125.571,207.899 C6.2@127.635,207.899 ; R1.2@125.571,207.916 125.554,207.899 124.206,207.899 ; v2(128.524,201.803) 128.524,203.581 124.206,207.899
  Top Layer w1: U3.1@94.448,220.599 98.933,220.599 98.933,224.409 110.236,224.409 110.236,216.662 129.159,216.662 129.159,213.233 129.286,213.106 133.985,213.106 C4.1@133.985,207.916 ; C6.2@127.635,207.899 127.762,207.899 127.779,207.916 C5.2@129.762,207.916 C4.1@133.985,207.916 ; C4.1@133.985,207.899 C4.1@133.985,207.916 ; 134.62,207.899 J1.2@141.732,207.899
  Bottom Layer w0.65: v2(106.68,193.421) 112.522,199.263 125.984,199.263 v2(128.524,201.803)
VDDA: C33.2 L2.2 U6.13 | length 13.3
  Top Layer w0.254: L2.2@80.222,124.963 80.222,129.357 C33.2@80.247,129.381 80.264,129.399 80.264,132.08 82.264,134.08 U6.13@85.58,134.08
pads on no net: CN1.S CN7.6 U4.3 U4.4 U4.11 U4.14 U4.16 U4.17 U4.18 U4.19 U4.21 U4.22 U4.28 U4.31 U4.34 U4.37 U4.39 U4.40 U4.41 U4.42 U4.43 U4.45 U4.46 U6.3 U6.4 U10.9 U10.47 U10.48 U13.2 U13.3 U13.5 U13.6 U13.7
copper on no net:
  other v3: 49.027,41.932 60.203,41.932

## Polygon pours and split planes (outlines as drawn)
GND on Top Layer "NONET_L01_P001" (solid, shelved, pour order 1): 146.685,196.342 146.685,47.498 133.604,47.498 133.604,34.925 133.477,34.798 44.958,34.798 44.958,47.498 44.704,47.498 32.004,47.498 32.004,213.868 44.704,213.868 44.704,215.265 45.466,215.265 89.535,215.265 89.535,206.248 96.266,199.517 96.266,196.342 146.177,196.342
EX_GND on Top Layer "NONET_L01_P000" (solid, shelved, pour order 0): 44.704,226.822 44.831,226.822 133.985,226.822 133.985,214.249 146.685,214.249 146.685,197.104 146.431,197.104 96.901,197.104 96.901,199.898 90.043,206.756 90.043,216.154 44.704,216.154

## Silkscreen, mask and mechanical layers (free items; w line width, h text height)
Top Overlay:
  drawing of 192 lines, arcs and shapes, not listed
  text "+5V" at 77.343,222.779 h2.5
  text "+12V" at 88.646,222.504 h2.5
  text "1" at 70.231,222.186 h1.5
  text "1" at 62.611,222.123 h1.5
  text "ESP" at 72.517,221.056 h1.5
  text "ESP" at 58.928,220.992 h1.5
  text "2" at 70.231,219.647 h1.5
  text "2" at 62.611,219.583 h1.5
  text "STM" at 72.39,218.135 h1.5
  text "PROG D-" at 76.061,218.123 h1.5 r90
  text "PROG D+" at 58.281,218.059 h1.5 r90
  text "STM" at 58.674,218.071 h1.5
  text "GND" at 85.45,217.678 h2.5 r90
  text "3" at 70.231,217.119 h1.5
  text "3" at 62.611,216.928 h1.5
  text "Vcc 12-24 V" at 134.874,211.984 h2.5
  text "GND" at 139.319,197.506 h2.5
  text "RS485" at 135.262,194.77 h1.52
  text "GND" at 141.362,187.87 h1.52
  text "Y" at 141.462,185.37 h1.52
  text "Z" at 141.562,182.87 h1.52
  text "B" at 141.562,180.27 h1.52
  text "A" at 141.462,177.77 h1.52
  text "GND" at 141.462,175.17 h1.52
  text "IR TRANSFER" at 134.366,166.622 h1.52 r270
  text "LED7" at 109.347,154.432 h1.52 r90
  text "LED6" at 111.914,154.432 h1.52 r90
  text "LED5" at 114.476,154.432 h1.52 r90
  text "LED4" at 117.021,154.432 h1.52 r90
  text "LED3" at 119.588,154.432 h1.52 r90
  text "LED2" at 122.138,154.432 h1.52 r90
  text "LED1" at 124.687,154.432 h1.52 r90
  text "LED0" at 127.254,154.432 h1.52 r90
  text "BOOT -" at 70.612,152.781 h1.52
  text "BOOT +" at 77.47,152.781 h1.52
  text "RS485" at 52.197,123.698 h1.52 r90
  text "RS485" at 55.245,123.698 h1.52 r90
  text "Place TFT Display HERE" at 145.415,119.253 h1.52 r90
  text "IR  / Reciever" at 135.255,118.235 h1.52 r270
  text "PC1" at 55.245,111.76 h1.52 r90
  text "PC0" at 52.197,111.633 h1.52 r90
  text "PB5" at 70.866,107.061 h1.52 r90
  text "PB4" at 73.472,107.061 h1.52 r90
  text "PB3" at 76.099,107.061 h1.52 r90
  text "PB2" at 78.71,107.061 h1.52 r90
  text "PB1" at 81.32,107.061 h1.52 r90
  text "PB0" at 83.947,107.061 h1.52 r90
  text "PA11" at 48.514,106.934 h1.52 r90
  text "PA10" at 51.042,106.934 h1.52 r90
  text "PA9" at 53.571,106.934 h1.52 r90
  text "PA8" at 56.1,106.934 h1.52 r90
  text "PA7" at 58.607,106.934 h1.52 r90
  text "PA6" at 61.135,106.934 h1.52 r90
  text "PA5" at 63.66,106.934 h1.52 r90
  text "PA4" at 66.167,106.934 h1.52 r90
  text "GPIO ESP" at 98.129,91.604 h1.52
  text "PA12" at 70.104,89.662 h1.52 r90
  text "PA13" at 72.644,89.662 h1.52 r90
  text "PA14" at 75.209,89.662 h1.52 r90
  text "PA15" at 77.762,89.662 h1.52 r90
  text "PC3" at 48.133,89.535 h1.52 r90
  text "PC2" at 50.686,89.535 h1.52 r90
  text "PC1" at 53.238,89.535 h1.52 r90
  text "PC0" at 55.791,89.535 h1.52 r90
  text "PB7" at 58.31,89.535 h1.52 r90
  text "PB6" at 60.85,89.535 h1.52 r90
  text "PB11" at 63.373,89.535 h1.52 r90
  text "33 32 13 12 15 14" at 91.679,88.954 h1.52
  text "0" at 143.879,87.104 h1.52
  text "2" at 143.904,84.479 h1.52
  text "4" at 143.879,81.979 h1.52
  text "5" at 143.879,79.454 h1.52
  text "16" at 143.879,77.004 h1.52
  text "17" at 143.879,74.479 h1.52
  text "18" at 143.879,72.004 h1.52
  text "19" at 143.879,69.404 h1.52
  text "DRV+" at 112.141,68.072 h1.52
  text "Switch ALL / to enable Driver" at 78.613,67.564 h1.52
  text "21" at 143.879,66.854 h1.52
  text "22" at 143.879,64.379 h1.52
  text "A2  A1  A0" at 76.2,63.373 h1.52
  text "23" at 143.879,61.729 h1.52
  text "o" at 108.839,61.341 h1.52
  text "25" at 143.879,59.254 h1.52
  text "26" at 143.879,56.754 h1.52
  text "Place / Motor Driver / HERE" at 90.998,54.356 h1.52
  text "27" at 143.879,54.129 h1.52
  text "RTC EPR" at 61.087,52.578 h1.52 r90
  text "RTC EPR" at 65.405,52.578 h1.52 r90
  text "EP / +" at 69.977,52.514 h1.52 r90
  text "EN B" at 51.816,52.324 h1.52 r90
  text "EN A" at 56.388,52.197 h1.52 r90
  text "34" at 143.879,51.629 h1.52
  text "35" at 144.154,49.104 h1.52
  text "GPIO ESP" at 126.979,48.354 h1.52
  text "B2  B1  A1  A2" at 90.297,36.576 h1.52
Mechanical 13:
  the board outline again, w0.254

## Text inside footprints (layer, text, board x,y; h text height)
CN1: Mechanical 1 "PCB Edge" at 55.297,228.017 h0.8 r180